# Altium PCB GSM_v2.PcbDoc (part 1 of 2)
Units mil, origin at the board's own origin, x right, y up, seen from the top; angles counter-clockwise.
Board outline 2789.37 x 2768.7 mil, 4 copper layers (Top Layer, Layer 1, Layer 2, Bottom Layer), stack 61.771 mil thick; 227 components, 127 nets, 668 pads, 296 vias.
Unrouted connection lines stored in the file: 1.
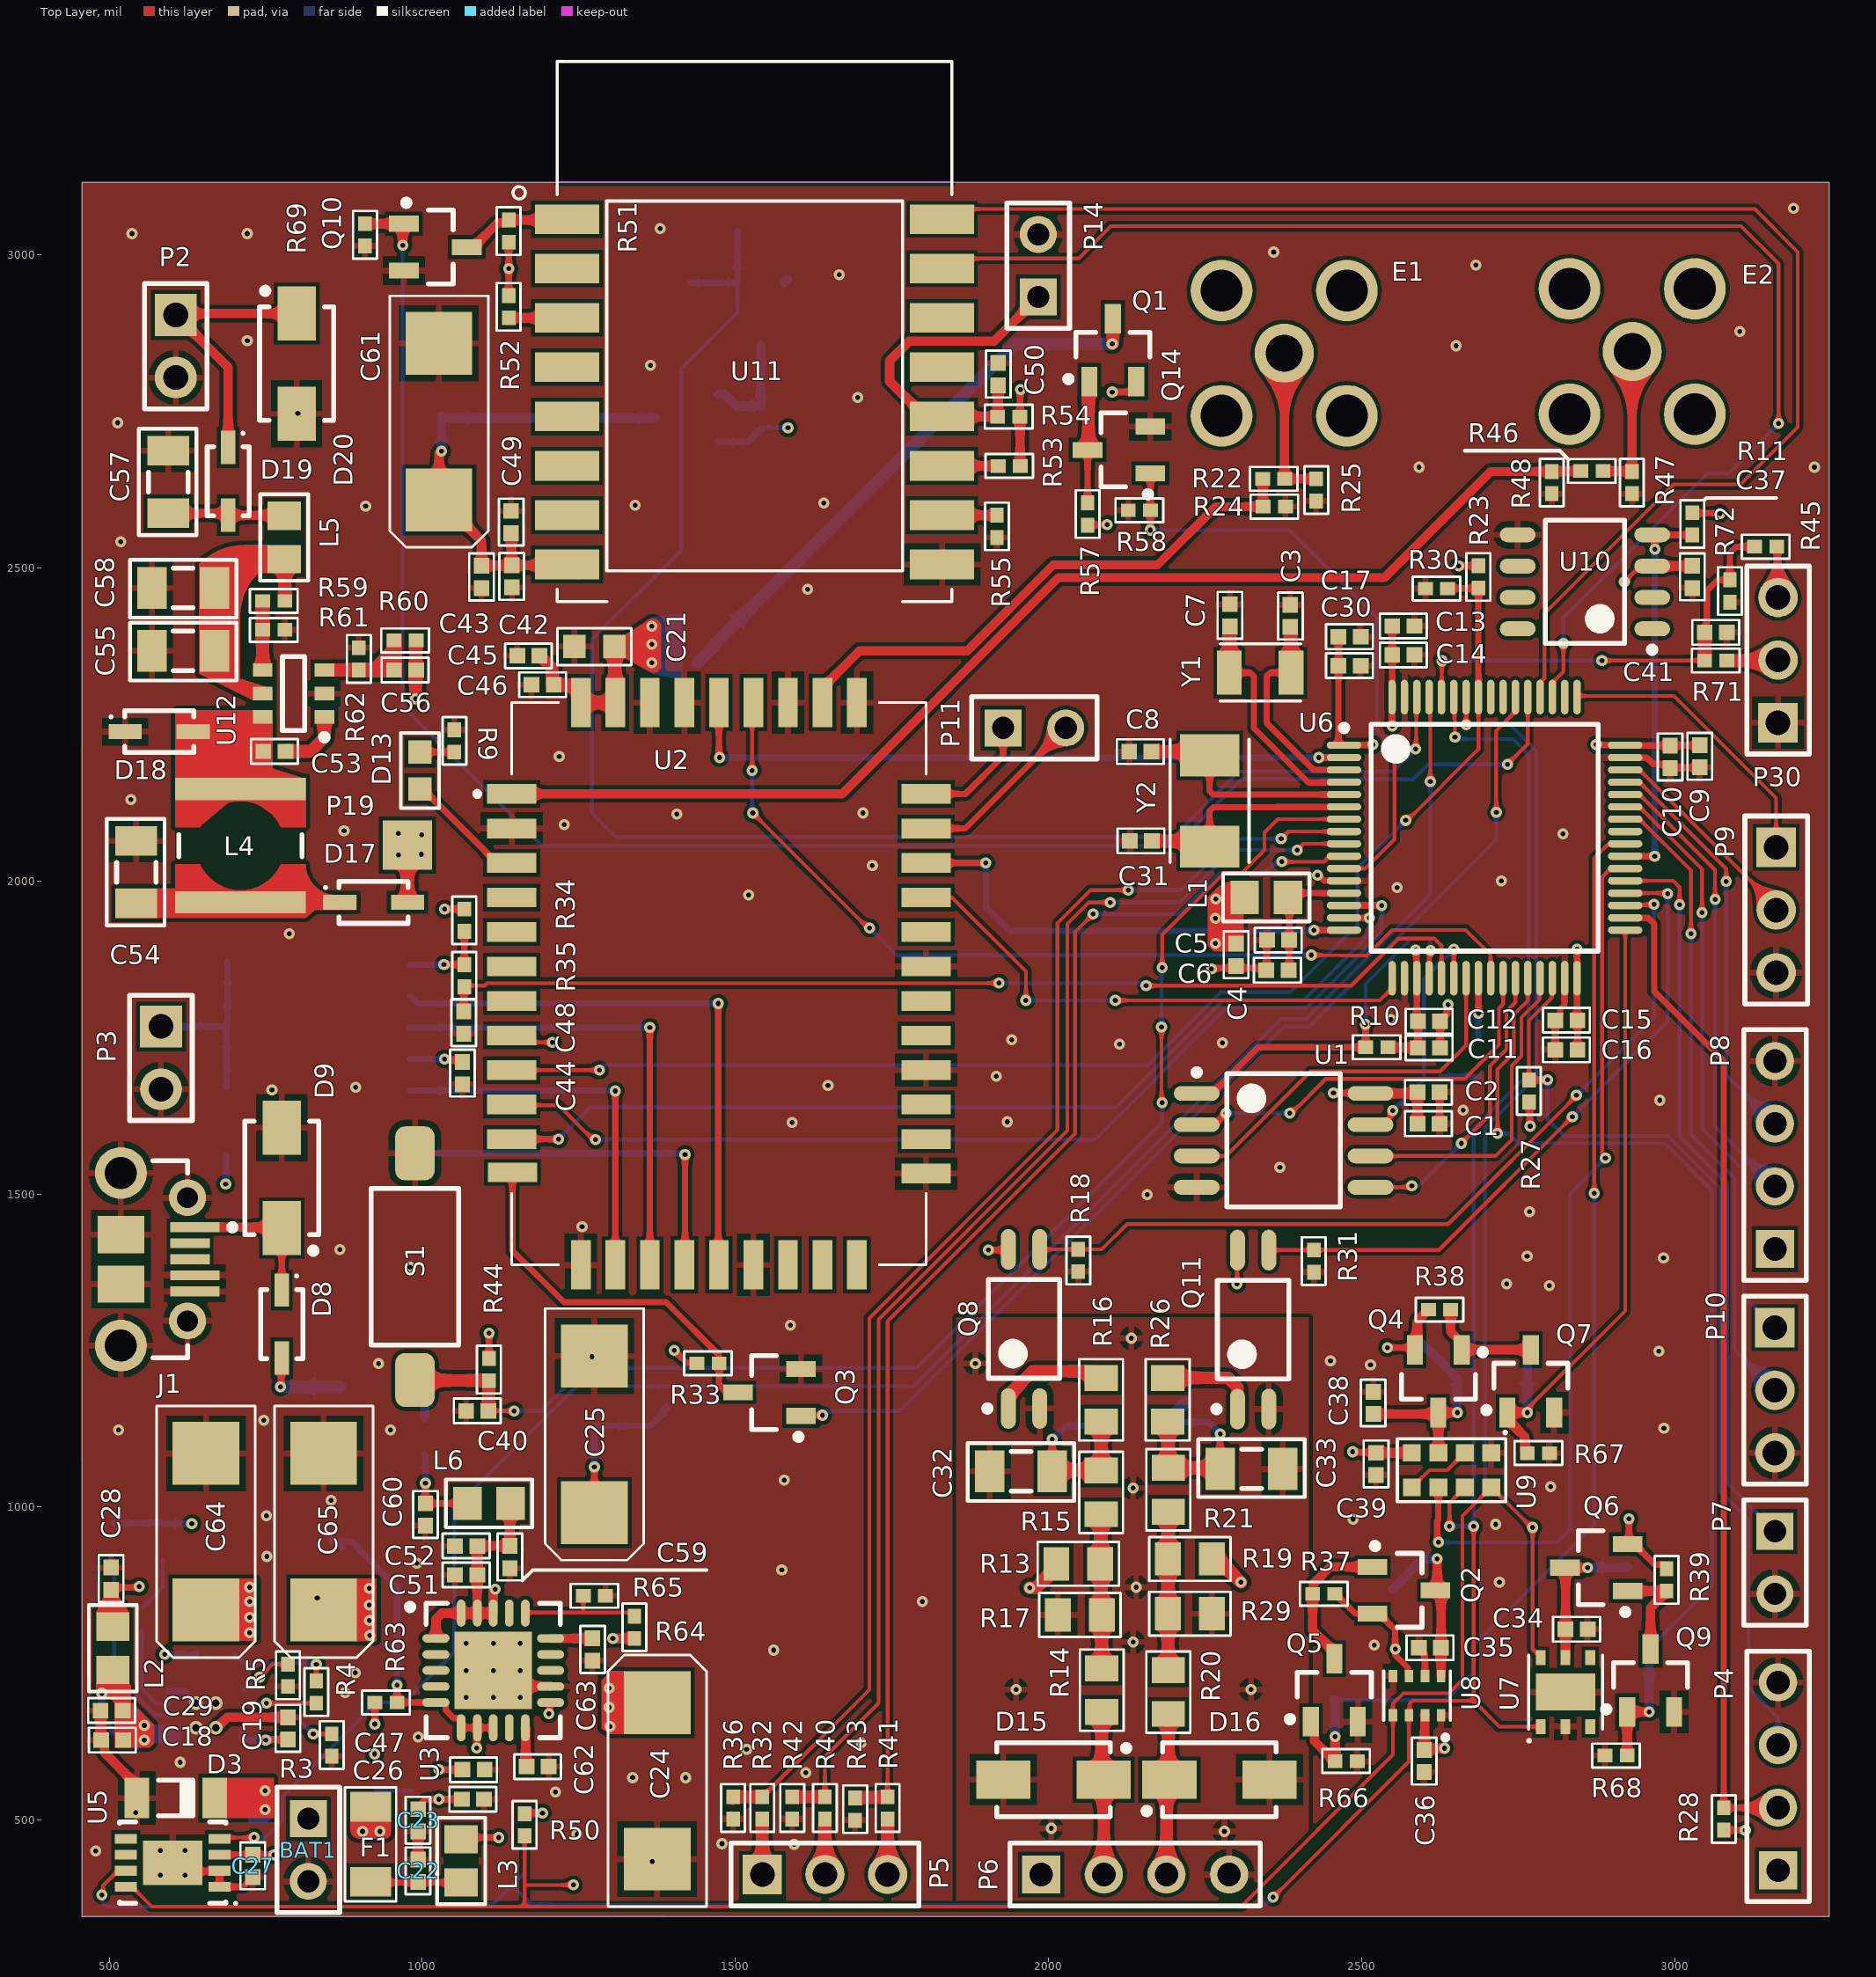
[diagram p0: Top Layer view]
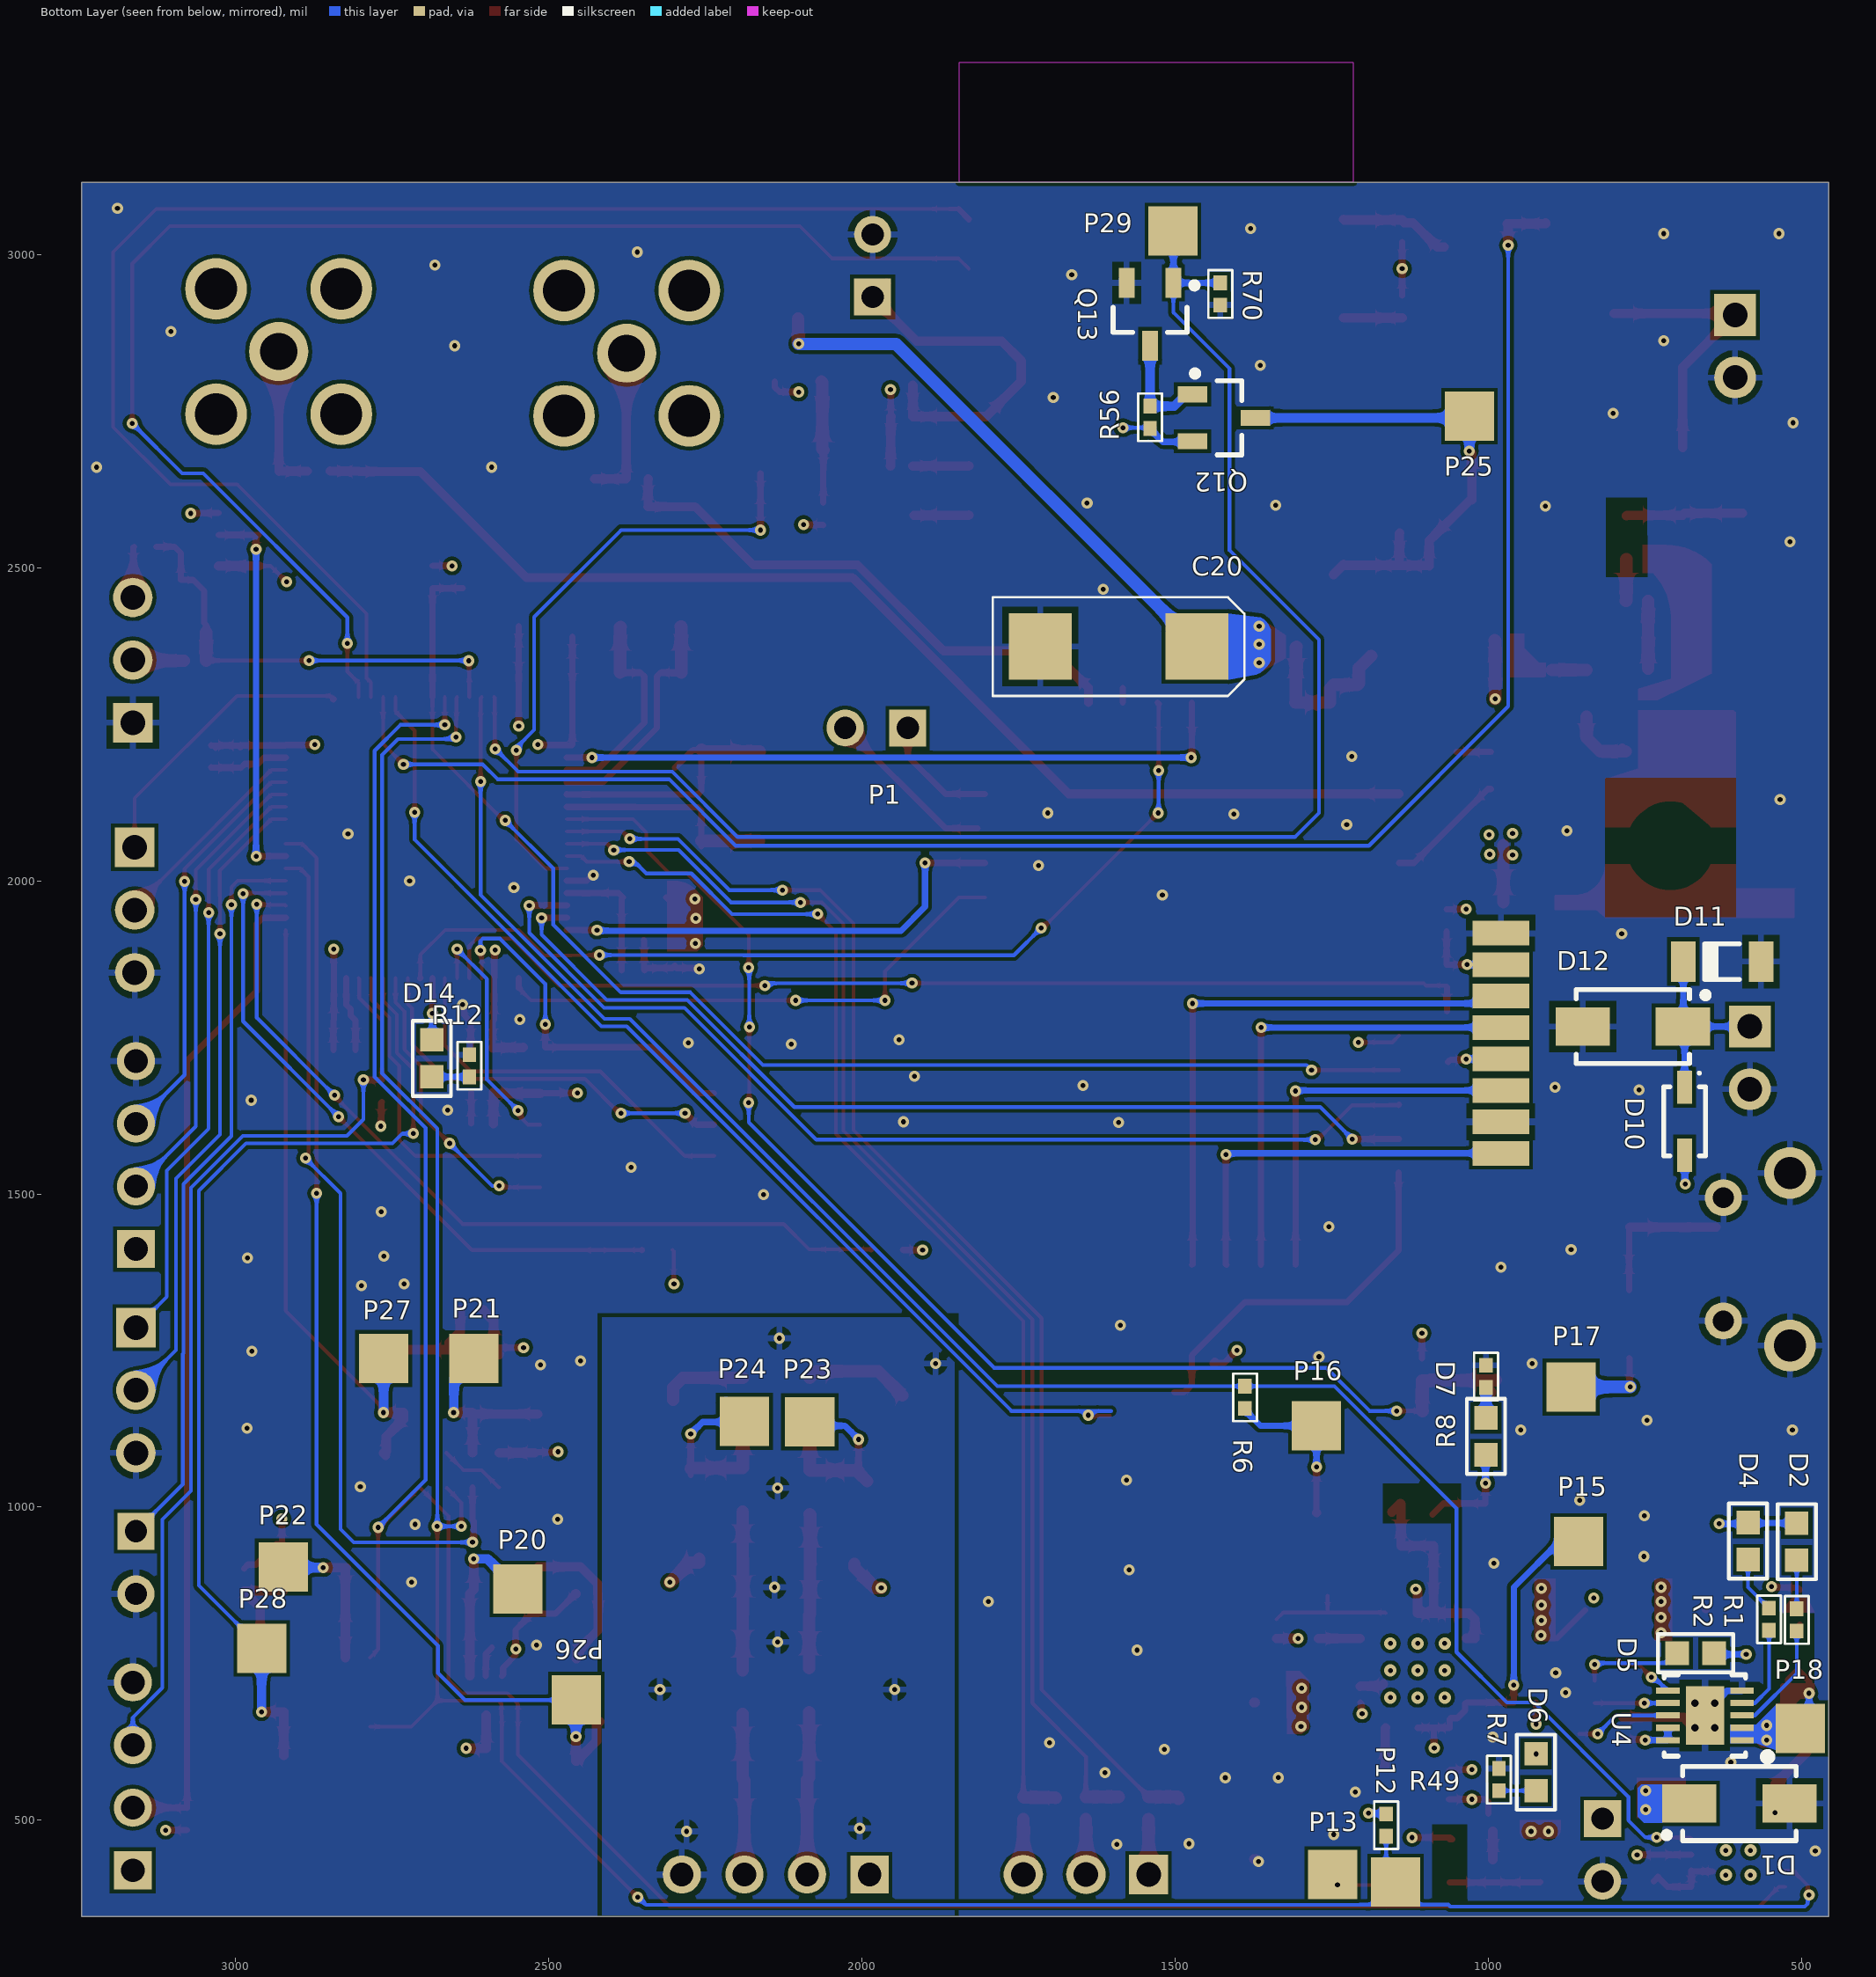
[diagram p1: Bottom Layer view, seen from below]
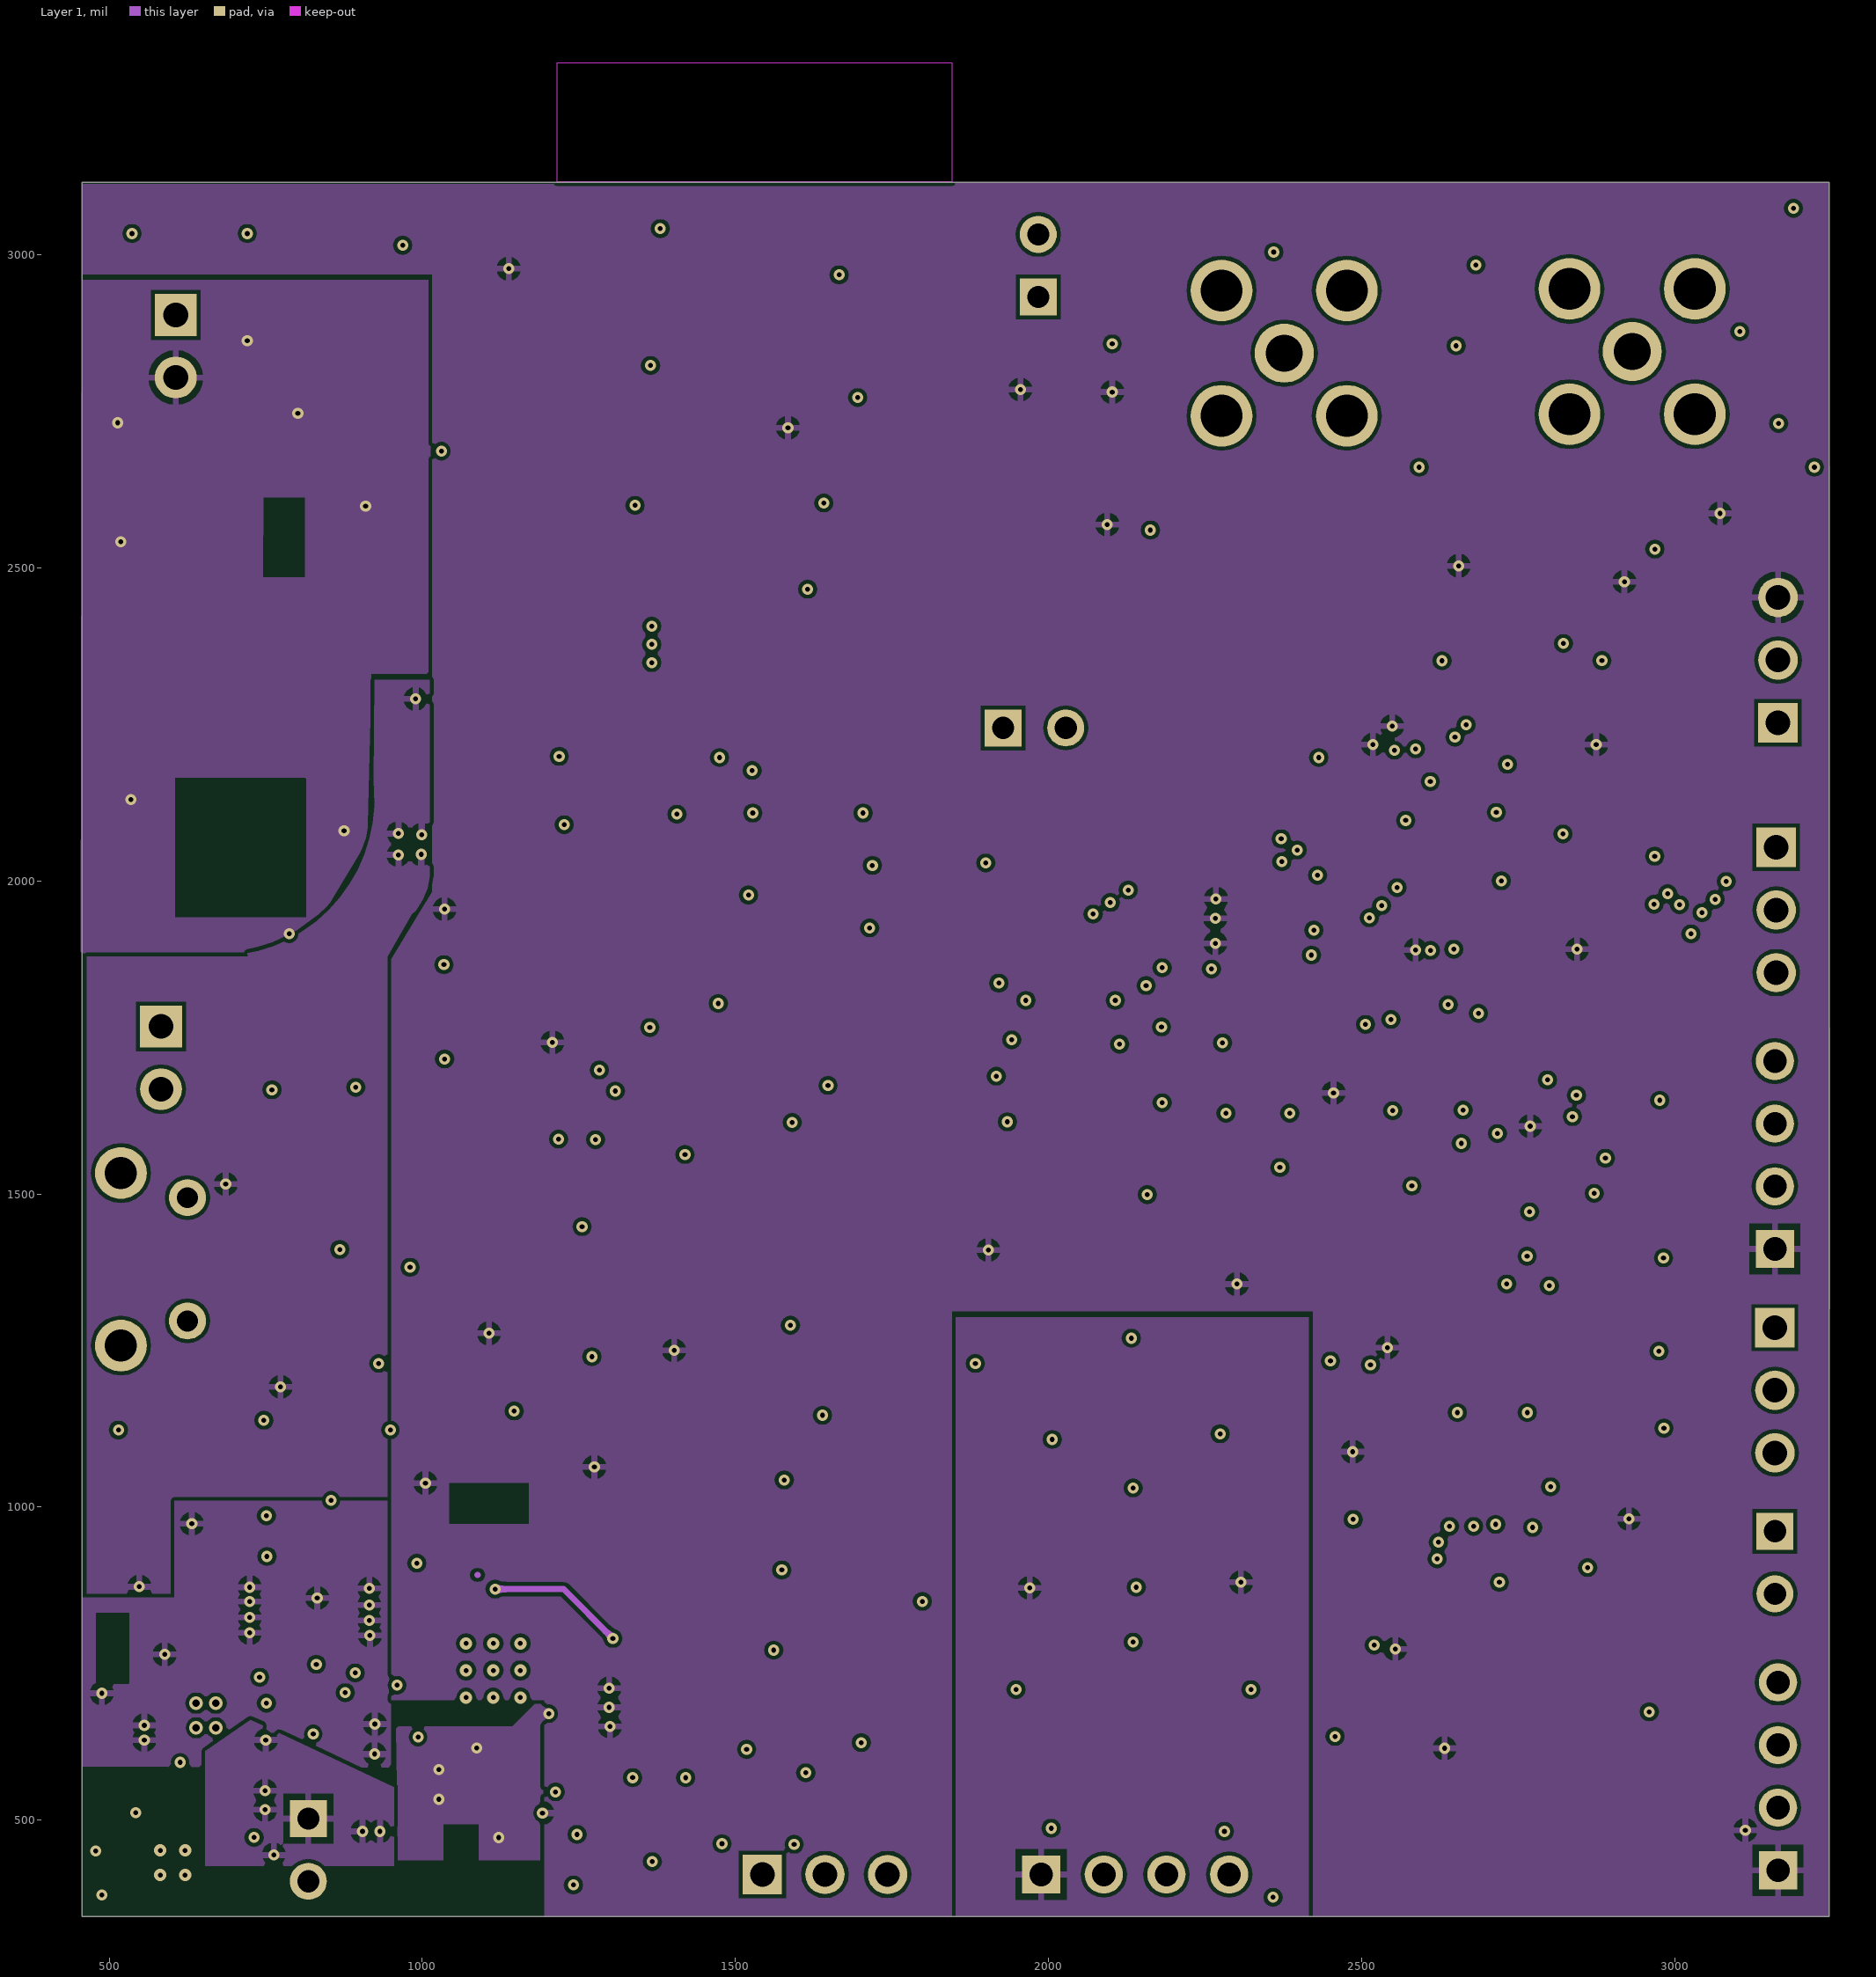
[diagram p2: Layer 1]